# Allegro board 038RT-9068CJK8E-A100_0921_1.brd (continued)
## Placement (name value [footprint] x y rotation side) (continued)
NOREF#1251  -  []  597.59 208.23 0 top
NOREF#1252  -  []  279.27 271.45 90 top
NOREF#1253  -  []  92.99 267.43 90 top
NOREF#1254  -  []  515.33 47.24 90 top
NOREF#1255  -  []  245.04 262.31 90 top
NOREF#1256  -  []  350 263 0 top
NOREF#1257  -  []  357.05 201.6 90 top
NOREF#1258  -  []  277.71 272.23 0 top
NOREF#1259  -  []  704.31 271.4 90 top
NOREF#1260  -  []  163.91 434.8 0 top
NOREF#1261  -  []  282.1 262.2 90 top
NOREF#1262  -  []  607.53 241.05 90 top
NOREF#1263  -  []  288.47 270.22 0 top
NOREF#1264  -  []  88.99 270.63 0 top
NOREF#1265  -  []  625.03 343.99 90 top
NOREF#1266  -  []  406.1 264.6 90 top
NOREF#1267  -  []  96.13 230.41 90 top
NOREF#1268  -  []  399.7 266.2 90 top
NOREF#1269  -  []  393.03 205.66 90 top
NOREF#1270  -  []  408.89 203.45 90 top
NOREF#1271  -  []  77.86 202.82 0 top
NOREF#1272  -  []  204.61 216.36 0 top
NOREF#1273  -  []  610.09 157.23 0 top
NOREF#1274  -  []  602.41 208.23 0 top
NOREF#1275  -  []  89.71 230.09 0 top
NOREF#1276  -  []  97.66 229.46 90 top
NOREF#1277  -  []  326.57 227.96 0 top
NOREF#1278  -  []  539.8 133.72 90 top
NOREF#1279  -  []  237.23 264.07 0 top
NOREF#1280  -  []  429.66 436.45 90 top
NOREF#1281  -  []  86.17 272.62 0 top
NOREF#1282  -  []  328.89 205.08 90 top
NOREF#1283  -  []  328.89 216.51 90 top
NOREF#1284  -  []  91.93 157.86 0 top
NOREF#1285  -  []  324.92 218.18 90 top
NOREF#1286  -  []  592.81 205.83 0 top
NOREF#1287  -  []  408.47 268.62 0 top
NOREF#1288  -  []  7.76 178.69 90 top
NOREF#1289  -  []  203.73 144.61 0 top
NOREF#1290  -  []  361.79 284.66 90 top
NOREF#1291  -  []  98.16 289.19 90 top
NOREF#1292  -  []  175.34 434.8 90 top
NOREF#1293  -  []  602.41 209.83 0 top
NOREF#1294  -  []  292.35 225.56 90 top
NOREF#1295  -  []  85.37 198.22 0 top
NOREF#1296  -  []  602.26 181.7 0 top
NOREF#1297  -  []  91.56 229.46 90 top
NOREF#1298  -  []  127.13 235.44 0 top
NOREF#1299  -  []  317 422.36 90 top
NOREF#1300  -  []  193.62 265.29 90 top
NOREF#1301  -  []  158.62 240.39 0 top
NOREF#1302  -  []  462.44 436.44 0 top
NOREF#1303  -  []  607.48 215.62 0 top
NOREF#1304  -  []  500.92 44.55 0 top
NOREF#1305  -  []  89.4 269.39 90 top
NOREF#1306  -  []  168.61 272.9 0 top
NOREF#1307  -  []  425.32 49.56 0 top
NOREF#1308  -  []  110.02 153.24 0 top
NOREF#1309  -  []  205.25 416.84 0 top
NOREF#1310  -  []  286.47 208.25 90 top
NOREF#1311  -  []  441.21 224.38 90 top
NOREF#1312  -  []  436.2 287.06 0 top
NOREF#1313  -  []  615.48 152.6 0 top
NOREF#1314  -  []  360.57 273.99 90 top
NOREF#1315  -  []  287.7 263 90 top
NOREF#1316  -  []  290.48 432.64 90 top
NOREF#1317  -  []  11.29 234.23 0 top
NOREF#1318  -  []  11.29 269.88 0 top
NOREF#1319  -  []  280.89 204.23 90 top
NOREF#1320  -  []  605.59 213.05 90 top
NOREF#1321  -  []  600.79 211.43 90 top
NOREF#1322  -  []  89.79 259.43 0 top
NOREF#1323  -  []  599.21 267.41 0 top
NOREF#1324  -  []  87.82 325.6 0 top
NOREF#1325  -  []  7.39 276.87 0 top
NOREF#1326  -  []  334.02 27.31 90 top
NOREF#1327  -  []  210.91 431.58 90 top
NOREF#1328  -  []  279.29 271.45 90 top
NOREF#1329  -  []  358.37 36.88 90 top
NOREF#1330  -  []  289.7 230.11 90 top
NOREF#1331  -  []  398.51 209.03 0 top
NOREF#1332  -  []  279.27 211.45 90 top
NOREF#1333  -  []  403.67 273.42 0 top
NOREF#1334  -  []  284.11 201.81 0 top
NOREF#1335  -  []  403.29 264.23 90 top
NOREF#1336  -  []  282.47 209.83 90 top
NOREF#1337  -  []  278.34 279.42 90 top
NOREF#1338  -  []  499.32 28.57 90 top
NOREF#1339  -  []  278.79 378.54 0 top
NOREF#1340  -  []  587.66 263.5 90 top
NOREF#1341  -  []  605.57 265.83 90 top
NOREF#1342  -  []  247.28 265.91 0 top
NOREF#1343  -  []  412.09 212.23 90 top
NOREF#1344  -  []  491.74 454.91 90 top
NOREF#1345  -  []  287.7 201.39 90 top
NOREF#1346  -  []  338.32 193.67 0 top
NOREF#1347  -  []  279.31 201.81 0 top
NOREF#1348  -  []  94.1 289.19 90 top
NOREF#1349  -  []  25.83 396.01 90 top
NOREF#1350  -  []  96.17 266.63 90 top
NOREF#1351  -  []  365.04 203.72 90 top
NOREF#1352  -  []  287.9 217.54 90 top
NOREF#1353  -  []  81.36 198.12 90 top
NOREF#1354  -  []  19.26 389.56 0 top
NOREF#1355  -  []  602.39 270.63 0 top
NOREF#1356  -  []  436.21 224.38 0 top
NOREF#1357  -  []  163.91 416.38 90 top
NOREF#1358  -  []  498.27 266.69 90 top
NOREF#1359  -  []  582.02 160.02 90 top
NOREF#1360  -  []  340.12 426.39 90 top
NOREF#1361  -  []  86.98 312.42 90 top
NOREF#1362  -  []  358.83 269.39 90 top
NOREF#1363  -  []  150.3 131.22 90 top
NOREF#1364  -  []  596.79 199.45 90 top
NOREF#1365  -  []  88.57 207.82 0 top
NOREF#1366  -  []  88.19 265.01 0 top
NOREF#1367  -  []  440.32 226.73 0 top
NOREF#1368  -  []  347.19 46.35 0 top
NOREF#1369  -  []  610.09 134.37 0 top
NOREF#1370  -  []  373.74 23.16 90 top
NOREF#1371  -  []  610.73 159.77 90 top
NOREF#1372  -  []  326.89 239.39 0 top
NOREF#1373  -  []  440.01 285.03 0 top
NOREF#1374  -  []  459.89 43.68 0 top
NOREF#1375  -  []  318.78 27.31 90 top
NOREF#1376  -  []  398.38 245.05 90 top
NOREF#1377  -  []  268.15 249.07 90 top
NOREF#1378  -  []  4.29 265.98 0 top
NOREF#1379  -  []  95.41 260.23 0 top
NOREF#1380  -  []  131.55 47.77 90 top
NOREF#1381  -  []  287.31 267.43 0 top
NOREF#1382  -  []  91.93 154.05 90 top
NOREF#1383  -  []  88.21 201.81 0 top
NOREF#1384  -  []  209.3 280.22 0 top
NOREF#1385  -  []  245.04 271.33 90 top
NOREF#1386  -  []  336.65 255.5 0 top
NOREF#1387  -  []  237.78 211.24 0 top
NOREF#1388  -  []  280.88 224.18 90 top
NOREF#1389  -  []  13.26 17.45 90 top
NOREF#1390  -  []  113.22 322.4 90 top
NOREF#1391  -  []  250.33 265.66 90 top
NOREF#1392  -  []  519.43 269.89 0 top
NOREF#1393  -  []  544.43 55.75 0 top
NOREF#1394  -  []  535.06 46.5 90 top
NOREF#1395  -  []  669.23 189.9 0 top
NOREF#1396  -  []  66.57 186.05 90 top
NOREF#1397  -  []  440.18 55.76 90 top
NOREF#1398  -  []  60.63 186.01 90 top
NOREF#1399  -  []  331.99 442.9 0 top
NOREF#1400  -  []  592.75 181.71 90 top
NOREF#1401  -  []  291.27 269.83 90 top
NOREF#1402  -  []  282.91 284.18 90 top
NOREF#1403  -  []  603.19 261.83 0 top
NOREF#1404  -  []  284.11 205.83 0 top
NOREF#1405  -  []  422.18 92.61 90 top
NOREF#1406  -  []  437.4 220.31 90 top
NOREF#1407  -  []  116.37 150.04 90 top
NOREF#1408  -  []  269.97 431.58 90 top
NOREF#1409  -  []  296.05 39.2 90 top
NOREF#1410  -  []  586.09 312.42 90 top
NOREF#1411  -  []  601.17 207.82 0 top
NOREF#1412  -  []  591.21 205.83 0 top
NOREF#1413  -  []  288.87 207.43 90 top
NOREF#1414  -  []  97.79 209.81 0 top
NOREF#1415  -  []  615.17 275.22 90 top
NOREF#1416  -  []  560.69 312.42 90 top
NOREF#1417  -  []  173.46 58.88 90 top
NOREF#1418  -  []  94.59 268.23 0 top
NOREF#1419  -  []  436.51 286.73 0 top
NOREF#1420  -  []  598.2 182.9 0 top
NOREF#1421  -  []  436.2 220.96 0 top
NOREF#1422  -  []  591.57 265.42 0 top
NOREF#1423  -  []  600.81 266.63 0 top
NOREF#1424  -  []  599.6 258.19 90 top
NOREF#1425  -  []  283.31 213.03 0 top
NOREF#1426  -  []  282.1 263.8 90 top
NOREF#1427  -  []  623.58 279.93 0 top
NOREF#1428  -  []  505.17 31.37 90 top
NOREF#1429  -  []  514.03 225.76 0 top
NOREF#1430  -  []  76.56 164.08 0 top
NOREF#1431  -  []  285.3 263 90 top
NOREF#1432  -  []  34.34 369.99 90 top
NOREF#1433  -  []  599.93 314.58 0 top
NOREF#1434  -  []  283.7 209.4 90 top
NOREF#1435  -  []  56.39 272.12 0 top
NOREF#1436  -  []  597.59 268.23 0 top
NOREF#1437  -  []  567.06 438.62 90 top
NOREF#1438  -  []  87.39 267.45 90 top
NOREF#1439  -  []  277.27 209.42 0 top
NOREF#1440  -  []  147.51 430.7 90 top
NOREF#1441  -  []  357.9 446.71 90 top
NOREF#1442  -  []  618 181.02 90 top
NOREF#1443  -  []  673.94 53.59 0 top
NOREF#1444  -  []  568.18 310.77 90 top
NOREF#1445  -  []  276.81 222.96 90 top
NOREF#1446  -  []  22.85 8.42 90 top
NOREF#1447  -  []  118.18 29.42 0 top
NOREF#1448  -  []  602.37 201.05 90 top
NOREF#1449  -  []  494.24 28.57 90 top
NOREF#1450  -  []  87 269.39 90 top
NOREF#1451  -  []  238.67 289.31 0 top
NOREF#1452  -  []  503.77 45.59 90 top
NOREF#1453  -  []  600.81 263.43 0 top
NOREF#1454  -  []  98.59 269.05 90 top
NOREF#1455  -  []  605.2 199.02 90 top
NOREF#1456  -  []  59.69 371.17 90 top
NOREF#1457  -  []  410.1 271 90 top
NOREF#1458  -  []  173.63 443.92 0 top
NOREF#1459  -  []  405.11 193.92 0 top
NOREF#1460  -  []  299.43 261.12 90 top
NOREF#1461  -  []  313.07 32.26 0 top
NOREF#1462  -  []  254.99 425.56 0 top
NOREF#1463  -  []  634.21 201.68 0 top
NOREF#1464  -  []  638.54 149.92 90 top
NOREF#1465  -  []  406.9 269.39 90 top
NOREF#1466  -  []  402.07 265.42 0 top
NOREF#1467  -  []  594.72 164.08 0 top
NOREF#1468  -  []  550.02 424.45 0 top
NOREF#1469  -  []  547.22 238.4 0 top
NOREF#1470  -  []  405.11 253.92 0 top
NOREF#1471  -  []  489.78 447.45 0 top
NOREF#1472  -  []  336.67 275.33 90 top
NOREF#1473  -  []  613.77 160.02 90 top
NOREF#1474  -  []  98.57 202.63 90 top
NOREF#1475  -  []  285.27 223.88 0 top
NOREF#1476  -  []  413.67 270.63 90 top
NOREF#1477  -  []  305.3 184.22 90 top
NOREF#1478  -  []  415.94 190.79 0 top
NOREF#1479  -  []  361.79 224.66 90 top
NOREF#1480  -  []  92.57 150.5 90 top
NOREF#1481  -  []  95.26 188.97 90 top
NOREF#1482  -  []  25.22 390.94 90 top
NOREF#1483  -  []  402.13 47.53 90 top
NOREF#1484  -  []  195.9 221.16 90 top
NOREF#1485  -  []  349.51 424.48 0 top
NOREF#1486  -  []  165.51 429.31 90 top
NOREF#1487  -  []  408.87 266.63 90 top
NOREF#1488  -  []  329.22 262.23 90 top
NOREF#1489  -  []  347.19 27.31 0 top
NOREF#1490  -  []  274.78 222.96 90 top
NOREF#1491  -  []  516.16 41.35 90 top
NOREF#1492  -  []  88.99 201.03 90 top
NOREF#1493  -  []  98.17 206.22 0 top
NOREF#1494  -  []  266.86 201.86 90 top
NOREF#1495  -  []  398.49 209.81 0 top
NOREF#1496  -  []  604.38 149.86 90 top
NOREF#1497  -  []  616.31 331.47 0 top
NOREF#1498  -  []  623.43 316.87 90 top
NOREF#1499  -  []  436.21 282.34 0 top
NOREF#1500  -  []  61.64 214.21 90 top
NOREF#1501  -  []  333.69 415.37 90 top
NOREF#1502  -  []  552.62 232.05 90 top
NOREF#1503  -  []  292.95 278.14 0 top
NOREF#1504  -  []  598.85 181.71 90 top
NOREF#1505  -  []  585.33 316.87 90 top
NOREF#1506  -  []  602 265.39 90 top
NOREF#1507  -  []  278.85 219.15 90 top
NOREF#1508  -  []  104.07 206.92 90 top
NOREF#1509  -  []  286.57 221.66 0 top
NOREF#1510  -  []  628 205.81 90 top
NOREF#1511  -  []  638.54 153.12 0 top
NOREF#1512  -  []  411.29 263.43 0 top
NOREF#1513  -  []  91.37 267.43 90 top
NOREF#1514  -  []  514.03 269.89 0 top
NOREF#1515  -  []  279.17 280.07 0 top
NOREF#1516  -  []  403.7 271 90 top
NOREF#1517  -  []  113.2 197.88 90 top
NOREF#1518  -  []  516.16 44.55 0 top
NOREF#1519  -  []  16.65 183.77 90 top
NOREF#1520  -  []  369.13 336.54 90 top
NOREF#1521  -  []  599.6 203 90 top
NOREF#1522  -  []  407.67 207.02 0 top
NOREF#1523  -  []  98.59 261.85 90 top
NOREF#1524  -  []  125.08 322.58 90 top
NOREF#1525  -  []  77.64 257.69 90 top
NOREF#1526  -  []  404.87 209.85 90 top
NOREF#1527  -  []  357.23 204.07 0 top
NOREF#1528  -  []  346.36 19.33 0 top
NOREF#1529  -  []  99.39 205.01 0 top
NOREF#1530  -  []  89.53 229.46 90 top
NOREF#1531  -  []  317.92 43.81 0 top
NOREF#1532  -  []  88.99 261.03 90 top
NOREF#1533  -  []  586.66 241.71 90 top
NOREF#1534  -  []  512.44 445.44 90 top
NOREF#1535  -  []  227.8 210.11 0 top
NOREF#1536  -  []  608.78 215.17 0 top
NOREF#1537  -  []  312.48 214.83 0 top
NOREF#1538  -  []  592.37 211.82 0 top
NOREF#1539  -  []  207.97 431.58 90 top
NOREF#1540  -  []  58.89 211.67 0 top
NOREF#1541  -  []  586.91 264.28 0 top
NOREF#1542  -  []  591.57 271.02 0 top
NOREF#1543  -  []  173.1 222.56 0 top
NOREF#1544  -  []  440.32 286.73 0 top
NOREF#1545  -  []  363.61 446.71 90 top
NOREF#1546  -  []  458.29 444.45 0 top
NOREF#1547  -  []  11.29 219.07 0 top
NOREF#1548  -  []  464.71 33.83 90 top
NOREF#1549  -  []  517.83 434.42 0 top
NOREF#1550  -  []  373.61 213.31 0 top
NOREF#1551  -  []  603.99 201.83 0 top
NOREF#1552  -  []  291.29 267.45 90 top
NOREF#1553  -  []  174.65 36.88 90 top
NOREF#1554  -  []  645.9 401.21 0 top
NOREF#1555  -  []  291.27 210.63 90 top
NOREF#1556  -  []  567.67 321.94 90 top
NOREF#1557  -  []  89.81 210.61 0 top
NOREF#1558  -  []  474.65 44.59 90 top
NOREF#1559  -  []  107.82 289.46 90 top
NOREF#1560  -  []  601.59 269.83 90 top
NOREF#1561  -  []  685.63 63.54 90 top
NOREF#1562  -  []  99.33 40.89 0 top
NOREF#1563  -  []  641.53 257.43 90 top
NOREF#1564  -  []  412.11 207.43 0 top
NOREF#1565  -  []  407.31 264.21 0 top
NOREF#1566  -  []  603.97 264.25 90 top
NOREF#1567  -  []  328.94 50.42 90 top
NOREF#1568  -  []  364.78 212.24 0 top
NOREF#1569  -  []  601.57 258.65 90 top
NOREF#1570  -  []  38.32 466.51 0 top
NOREF#1571  -  []  -2.69 163.02 0 top
NOREF#1572  -  []  601.59 205.81 0 top
NOREF#1573  -  []  226.75 378.54 0 top
NOREF#1574  -  []  385.96 215.24 90 top
NOREF#1575  -  []  324.92 194.67 90 top
NOREF#1576  -  []  336.65 197.65 0 top
NOREF#1577  -  []  287.67 204.62 0 top
NOREF#1578  -  []  553.22 424.45 90 top
NOREF#1579  -  []  99.68 312.42 90 top
NOREF#1580  -  []  436.51 278.61 0 top
NOREF#1581  -  []  602.46 291.2 90 top
NOREF#1582  -  []  638.54 347.76 90 top
NOREF#1583  -  []  43.47 448.75 90 top
NOREF#1584  -  []  268.15 223.37 0 top
NOREF#1585  -  []  618.14 24.76 0 top
NOREF#1586  -  []  359.73 263.62 0 top
NOREF#1587  -  []  197.26 447.73 90 top
NOREF#1588  -  []  298.25 179.12 90 top
NOREF#1589  -  []  95.81 290.09 0 top
NOREF#1590  -  []  339.41 433.78 0 top
NOREF#1591  -  []  291.27 209.83 90 top
NOREF#1592  -  []  100.97 201.83 90 top
NOREF#1593  -  []  253.77 49.56 90 top
NOREF#1594  -  []  593.59 272.21 0 top
NOREF#1595  -  []  692.13 260.08 90 top
NOREF#1596  -  []  348.72 48.9 90 top
NOREF#1597  -  []  20.34 244.47 90 top
NOREF#1598  -  []  246.23 273.28 0 top
NOREF#1599  -  []  402.9 271 90 top
NOREF#1600  -  []  72.88 131.19 90 top
NOREF#1601  -  []  403.7 199.8 90 top
NOREF#1602  -  []  21.46 386.74 0 top
NOREF#1603  -  []  409.71 209.03 0 top
NOREF#1604  -  []  288.89 212.23 90 top
NOREF#1605  -  []  71.92 150.04 90 top
NOREF#1606  -  []  591.63 246.67 90 top
NOREF#1607  -  []  88.57 264.62 0 top
NOREF#1608  -  []  -11.44 47.55 0 top
NOREF#1609  -  []  11.81 175.4 90 top
NOREF#1610  -  []  92.19 268.23 0 top
NOREF#1611  -  []  385.03 418.84 0 top
NOREF#1612  -  []  177.86 271.5 90 top
NOREF#1613  -  []  405.69 201.03 90 top
NOREF#1614  -  []  603.17 272.25 90 top
NOREF#1615  -  []  73.52 337.82 90 top
NOREF#1616  -  []  578.34 157.23 0 top
NOREF#1617  -  []  95.8 264.59 90 top
NOREF#1618  -  []  297.52 250.01 90 top
NOREF#1619  -  []  284.94 222.96 90 top
NOREF#1620  -  []  609.76 129.74 0 top
NOREF#1621  -  []  531.8 141.72 90 top
NOREF#1622  -  []  58.14 271.67 0 top
NOREF#1623  -  []  604.77 261.05 90 top
NOREF#1624  -  []  362.71 209.57 90 top
NOREF#1625  -  []  98.17 267.02 0 top
NOREF#1626  -  []  347.95 34.29 90 top
NOREF#1627  -  []  324.89 198.35 0 top
NOREF#1628  -  []  278.85 224.18 90 top
NOREF#1629  -  []  336.67 195.32 90 top
NOREF#1630  -  []  602.77 261.42 0 top
NOREF#1631  -  []  601.61 261.81 0 top
NOREF#1632  -  []  603.99 200.25 90 top
NOREF#1633  -  []  356.3 433.78 0 top
NOREF#1634  -  []  288.91 201.81 0 top
NOREF#1635  -  []  291.7 211.8 90 top
NOREF#1636  -  []  403.29 265.81 0 top
NOREF#1637  -  []  70.21 160.02 90 top
NOREF#1638  -  []  87.39 210.65 90 top
NOREF#1639  -  []  265.96 275.24 90 top
NOREF#1640  -  []  94.61 208.23 0 top
NOREF#1641  -  []  50.39 377.37 0 top
NOREF#1642  -  []  279.7 206.2 90 top
NOREF#1643  -  []  607.42 160.02 90 top
NOREF#1644  -  []  91.37 204.23 90 top
NOREF#1645  -  []  370.33 273.28 90 top
NOREF#1646  -  []  60.63 252.62 90 top
NOREF#1647  -  []  97.66 289.46 90 top
NOREF#1648  -  []  604.3 242.9 0 top
NOREF#1649  -  []  85.58 131.19 90 top
NOREF#1650  -  []  307.86 27.56 0 top
NOREF#1651  -  []  97.18 218.77 0 top
NOREF#1652  -  []  531.8 141.72 90 top
NOREF#1653  -  []  672.31 292.82 0 top
NOREF#1654  -  []  213.76 40.33 0 top
NOREF#1655  -  []  329.57 92.61 90 top
NOREF#1656  -  []  590.07 241.7 0 top
NOREF#1657  -  []  260.1 186.22 0 top
NOREF#1658  -  []  654.31 220.6 0 top
NOREF#1659  -  []  586.08 264.28 0 top
NOREF#1660  -  []  6.8 340.36 90 top
NOREF#1661  -  []  154.12 27.68 0 top
NOREF#1662  -  []  293.67 261.03 90 top
NOREF#1663  -  []  488.58 420.16 90 top
NOREF#1664  -  []  603.17 205.03 90 top
NOREF#1665  -  []  423.14 261.84 90 top
NOREF#1666  -  []  326.24 239.39 0 top
NOREF#1667  -  []  239.73 211.24 0 top
NOREF#1668  -  []  287.29 268.21 0 top
NOREF#1669  -  []  14.11 21.21 0 top
NOREF#1670  -  []  232.56 39.2 90 top
NOREF#1671  -  []  289.69 271.41 0 top
NOREF#1672  -  []  360.57 206.37 90 top
NOREF#1673  -  []  638.54 349.96 90 top
NOREF#1674  -  []  412.47 202.22 0 top
NOREF#1675  -  []  34.34 277.77 90 top
NOREF#1676  -  []  330.67 443.13 90 top
NOREF#1677  -  []  671.31 270.4 0 top
NOREF#1678  -  []  436.51 226.73 0 top
NOREF#1679  -  []  600.88 182.91 0 top
NOREF#1680  -  []  158.52 427.41 90 top
NOREF#1681  -  []  601.61 201.81 0 top
NOREF#1682  -  []  137.98 237.19 90 top
NOREF#1683  -  []  371.74 442.9 0 top
NOREF#1684  -  []  290.07 270.22 0 top
NOREF#1685  -  []  73.52 127.64 90 top
NOREF#1686  -  []  8.06 476.13 90 top
NOREF#1687  -  []  99.37 209.03 90 top
NOREF#1688  -  []  283.24 223.88 0 top
NOREF#1689  -  []  436.98 50.36 0 top
NOREF#1690  -  []  434.68 214.83 0 top
NOREF#1691  -  []  625.2 346.11 90 top
NOREF#1692  -  []  26.97 397.53 90 top
NOREF#1693  -  []  284.89 209.03 0 top
NOREF#1694  -  []  404.64 242.02 90 top
NOREF#1695  -  []  537.38 191.74 90 top
NOREF#1696  -  []  410.47 260.25 90 top
NOREF#1697  -  []  142.1 207.93 0 top
NOREF#1698  -  []  92.97 204.25 90 top
NOREF#1699  -  []  404.5 271 90 top
NOREF#1700  -  []  72.02 198.62 90 top
NOREF#1701  -  []  89.37 267.02 0 top
NOREF#1702  -  []  385.7 23.33 0 top
NOREF#1703  -  []  673.94 187.58 90 top
NOREF#1704  -  []  404.07 209.85 90 top
NOREF#1705  -  []  598 206.2 90 top
NOREF#1706  -  []  263.76 416.84 90 top
NOREF#1707  -  []  250.03 205.92 90 top
NOREF#1708  -  []  72.02 263.32 90 top
NOREF#1709  -  []  88.19 261.03 90 top
NOREF#1710  -  []  409.71 201.81 0 top
NOREF#1711  -  []  437.41 287.79 90 top
NOREF#1712  -  []  603.99 269.05 90 top
NOREF#1713  -  []  218.53 194.39 0 top
NOREF#1714  -  []  506 41.35 90 top
NOREF#1715  -  []  243.54 426.36 0 top
NOREF#1716  -  []  86.97 207.82 0 top
NOREF#1717  -  []  93.01 204.21 0 top
NOREF#1718  -  []  331.99 424.48 0 top
NOREF#1719  -  []  88.19 204.25 90 top
NOREF#1720  -  []  487.42 227.16 0 top
NOREF#1721  -  []  582.02 164.08 0 top
NOREF#1722  -  []  280.79 144.61 0 top
NOREF#1723  -  []  90.2 202.2 90 top
NOREF#1724  -  []  173.74 425.5 90 top
NOREF#1725  -  []  615.81 134.37 0 top
NOREF#1726  -  []  439.11 280.64 0 top
NOREF#1727  -  []  284.11 212.21 0 top
NOREF#1728  -  []  591.92 181.06 90 top
NOREF#1729  -  []  603.97 201.05 90 top
NOREF#1730  -  []  170.15 286.01 0 top
NOREF#1731  -  []  595.17 206.63 90 top
NOREF#1732  -  []  96.17 267.45 90 top
NOREF#1733  -  []  486.75 144.84 0 top
NOREF#1734  -  []  593.59 262.61 0 top
NOREF#1735  -  []  8.31 16.9 90 top
NOREF#1736  -  []  606.39 207.43 90 top
NOREF#1737  -  []  89.4 259.8 90 top
NOREF#1738  -  []  602.41 201.03 0 top
NOREF#1739  -  []  603.99 266.61 0 top
NOREF#1740  -  []  88.6 211 90 top
NOREF#1741  -  []  63.82 248.15 0 top
NOREF#1742  -  []  343.89 138.61 0 top
NOREF#1743  -  []  106.87 325.6 0 top
NOREF#1744  -  []  288.07 269.83 90 top
NOREF#1745  -  []  245.04 269.93 90 top
NOREF#1746  -  []  96.19 265.05 90 top
NOREF#1747  -  []  122.18 49.42 90 top
NOREF#1748  -  []  406.9 209.4 90 top
NOREF#1749  -  []  411.27 270.63 90 top
NOREF#1750  -  []  285.67 198.65 90 top
NOREF#1751  -  []  584.3 240.8 90 top
NOREF#1752  -  []  553.22 429.85 90 top
NOREF#1753  -  []  477.13 426.36 0 top
NOREF#1754  -  []  682.83 19.94 90 top
NOREF#1755  -  []  593.62 278.2 90 top
NOREF#1756  -  []  98.17 261.42 0 top
NOREF#1757  -  []  536 186.22 90 top
NOREF#1758  -  []  596.01 264.21 0 top
NOREF#1759  -  []  94.17 211.82 0 top
NOREF#1760  -  []  283.29 201.03 90 top
NOREF#1761  -  []  600.79 263.43 90 top
NOREF#1762  -  []  399.67 207.82 0 top
NOREF#1763  -  []  335.29 437.44 90 top
NOREF#1764  -  []  405.67 209.85 90 top
NOREF#1765  -  []  288.5 272.6 90 top
NOREF#1766  -  []  280.88 220.37 90 top
NOREF#1767  -  []  92.99 265.03 0 top
NOREF#1768  -  []  640.39 359.91 0 top
NOREF#1769  -  []  385.3 228.22 90 top
NOREF#1770  -  []  675.41 295.92 0 top
NOREF#1771  -  []  408.87 207.43 90 top
NOREF#1772  -  []  96.99 205.03 90 top
NOREF#1773  -  []  554.97 422.8 0 top
NOREF#1774  -  []  586.52 264.65 90 top
NOREF#1775  -  []  290.07 208.62 0 top
NOREF#1776  -  []  510.25 31.37 90 top
NOREF#1777  -  []  409.7 230.11 90 top
NOREF#1778  -  []  286.9 260.59 90 top
NOREF#1779  -  []  -27.99 320.81 0 top
NOREF#1780  -  []  514.03 219.56 0 top
NOREF#1781  -  []  442.07 416.31 90 top
NOREF#1782  -  []  600.57 332.36 90 top
NOREF#1783  -  []  340.65 216.51 90 top
NOREF#1784  -  []  407.29 200.23 0 top
NOREF#1785  -  []  600.79 271.43 90 top
NOREF#1786  -  []  594.39 265.05 90 top
NOREF#1787  -  []  402.49 210.63 0 top
NOREF#1788  -  []  498.27 225.76 0 top
NOREF#1789  -  []  72.02 258.62 90 top
NOREF#1790  -  []  102.23 230.41 90 top
NOREF#1791  -  []  565.64 153.42 90 top
NOREF#1792  -  []  280.91 208.23 0 top
NOREF#1793  -  []  458.96 48.93 0 top
NOREF#1794  -  []  407.29 203.43 90 top
NOREF#1795  -  []  94.61 205.83 0 top
NOREF#1796  -  []  92.94 289.44 90 top
NOREF#1797  -  []  94.98 289.44 90 top
NOREF#1798  -  []  78.61 202.82 0 top
NOREF#1799  -  []  404.87 205.83 90 top
NOREF#1800  -  []  282.59 223.86 0 top
NOREF#1801  -  []  123.55 309.88 0 top
NOREF#1802  -  []  105.38 262.96 90 top
NOREF#1803  -  []  594.46 240.8 90 top
NOREF#1804  -  []  128.53 54.82 90 top
NOREF#1805  -  []  96.99 203.41 0 top
NOREF#1806  -  []  598.87 44.09 90 top
NOREF#1807  -  []  404.11 266.63 0 top
NOREF#1808  -  []  95.61 164.08 0 top
NOREF#1809  -  []  337.16 47.24 90 top
NOREF#1810  -  []  616.44 157.23 0 top
NOREF#1811  -  []  629.25 368.87 0 top
NOREF#1812  -  []  337.67 193.67 0 top
NOREF#1813  -  []  66.53 154.05 90 top
NOREF#1814  -  []  342.05 227.94 90 top
NOREF#1815  -  []  368.76 50.36 0 top
NOREF#1816  -  []  338.48 48.17 90 top
NOREF#1817  -  []  324.62 30.1 90 top
NOREF#1818  -  []  482.51 276.1 0 top
NOREF#1819  -  []  670.26 275.28 0 top
NOREF#1820  -  []  277.69 219.4 90 top
NOREF#1821  -  []  602.77 270.22 0 top
NOREF#1822  -  []  111.62 159.77 90 top
NOREF#1823  -  []  286.49 259.43 0 top
NOREF#1824  -  []  572.63 149.86 90 top
NOREF#1825  -  []  587.23 310.77 90 top
NOREF#1826  -  []  351.22 433.78 0 top
NOREF#1827  -  []  249.98 447.45 0 top
NOREF#1828  -  []  597.26 247.58 90 top
NOREF#1829  -  []  318.33 334.54 90 top
NOREF#1830  -  []  62.72 314.58 0 top
NOREF#1831  -  []  584.63 241.71 0 top
NOREF#1832  -  []  290.1 271 90 top
NOREF#1833  -  []  175.3 216.36 0 top
NOREF#1834  -  []  287.27 260.25 90 top
NOREF#1835  -  []  357.78 263.62 0 top
NOREF#1836  -  []  609.08 210.22 0 top
NOREF#1837  -  []  90.97 127.18 90 top
NOREF#1838  -  []  309.25 142.61 90 top
NOREF#1839  -  []  18.78 388.01 90 top
NOREF#1840  -  []  73.52 150.5 90 top
NOREF#1841  -  []  237.33 426.36 0 top
NOREF#1842  -  []  336.65 254.8 0 top
NOREF#1843  -  []  358.37 36.88 0 top
NOREF#1844  -  []  338.32 227.96 0 top
NOREF#1845  -  []  408.69 226.19 0 top
NOREF#1846  -  []  19.11 390.21 0 top
NOREF#1847  -  []  312.4 193.27 90 top
NOREF#1848  -  []  597.57 265.03 90 top
NOREF#1849  -  []  341.01 419.02 90 top
NOREF#1850  -  []  58.29 157.48 90 top
NOREF#1851  -  []  568.05 49.32 0 top
NOREF#1852  -  []  86.59 258.61 0 top
NOREF#1853  -  []  67.4 246.22 0 top
NOREF#1854  -  []  96.57 206.22 0 top
NOREF#1855  -  []  340.65 262.23 90 top
NOREF#1856  -  []  595.99 263.41 0 top
NOREF#1857  -  []  145.3 336.22 0 top
NOREF#1858  -  []  170.81 266.69 0 top
NOREF#1859  -  []  97.01 273.01 0 top
NOREF#1860  -  []  188.85 216.36 0 top
NOREF#1861  -  []  516.12 424.48 0 top
NOREF#1862  -  []  571.95 453.28 0 top
NOREF#1863  -  []  274.78 220.37 90 top
NOREF#1864  -  []  40.09 434.4 0 top
NOREF#1865  -  []  232.75 96.61 90 top
NOREF#1866  -  []  117.97 150.5 90 top
NOREF#1867  -  []  187.1 281.41 90 top
NOREF#1868  -  []  378.27 21.92 0 top
NOREF#1869  -  []  412.11 201.83 0 top
NOREF#1870  -  []  693.28 213.4 0 top
NOREF#1871  -  []  248.78 417.96 90 top
NOREF#1872  -  []  95.39 199.45 90 top
NOREF#1873  -  []  72.6 241.02 90 top
NOREF#1874  -  []  197.97 49.56 90 top
NOREF#1875  -  []  95.77 271.82 0 top
NOREF#1876  -  []  371.96 55.76 90 top
NOREF#1877  -  []  402.1 202.2 90 top
NOREF#1878  -  []  105.97 230.09 0 top
NOREF#1879  -  []  404.11 205.83 0 top
NOREF#1880  -  []  380.04 144.84 0 top
NOREF#1881  -  []  93.77 267.45 90 top
NOREF#1882  -  []  4.26 337.82 90 top
NOREF#1883  -  []  345.83 444.8 0 top
NOREF#1884  -  []  282.26 33.83 90 top
NOREF#1885  -  []  173.37 229.44 90 top
NOREF#1886  -  []  574 268.22 0 top
NOREF#1887  -  []  632.24 143.87 90 top
NOREF#1888  -  []  89.79 266.63 90 top
NOREF#1889  -  []  100.2 230.41 90 top
NOREF#1890  -  []  280.89 272.21 0 top
NOREF#1891  -  []  508.85 33.53 0 top
NOREF#1892  -  []  57.91 214.63 90 top
NOREF#1893  -  []  597.61 207.41 0 top
NOREF#1894  -  []  612.12 334.01 90 top
NOREF#1895  -  []  440.71 32.38 90 top
NOREF#1896  -  []  442.43 49.56 90 top
NOREF#1897  -  []  337.67 250.82 0 top
NOREF#1898  -  []  608.03 210.47 0 top
NOREF#1899  -  []  87.41 213.01 0 top
NOREF#1900  -  []  412.47 207.82 0 top
NOREF#1901  -  []  85.47 289.46 90 top
NOREF#1902  -  []  52.31 216.41 90 top
NOREF#1903  -  []  413.69 206.65 90 top
NOREF#1904  -  []  16.65 151.38 90 top
NOREF#1905  -  []  597.2 208.6 90 top
NOREF#1906  -  []  599.19 264.23 0 top
NOREF#1907  -  []  89.79 205.81 0 top
NOREF#1908  -  []  158.62 234.04 0 top
NOREF#1909  -  []  493.61 29.72 90 top
NOREF#1910  -  []  19.99 389.3 0 top
NOREF#1911  -  []  90.59 205.85 90 top
NOREF#1912  -  []  299.34 426.36 0 top
NOREF#1913  -  []  608.87 26.64 0 top
NOREF#1914  -  []  94.97 208.62 0 top
NOREF#1915  -  []  602.39 210.63 0 top
NOREF#1916  -  []  88.21 207.41 0 top
NOREF#1917  -  []  603.97 269.85 90 top
NOREF#1918  -  []  598.8 268.6 90 top
NOREF#1919  -  []  398.38 185.05 90 top
NOREF#1920  -  []  52.64 161.33 90 top
NOREF#1921  -  []  51.24 168.38 0 top
NOREF#1922  -  []  687.4 17.91 90 top
NOREF#1923  -  []  436.2 289.09 0 top
NOREF#1924  -  []  392.35 179.12 90 top
NOREF#1925  -  []  488.53 29.72 90 top
NOREF#1926  -  []  365.33 273.53 0 top
NOREF#1927  -  []  585 279.22 0 top
NOREF#1928  -  []  403.7 209.4 90 top
NOREF#1929  -  []  443.2 144.61 0 top
NOREF#1930  -  []  536.05 424.45 90 top
NOREF#1931  -  []  409.71 269.83 0 top
NOREF#1932  -  []  92.99 259.45 90 top
NOREF#1933  -  []  231.66 44.59 90 top
NOREF#1934  -  []  444.3 173.22 90 top
NOREF#1935  -  []  417.35 205.79 90 top
NOREF#1936  -  []  20.34 263.52 90 top
NOREF#1937  -  []  86.17 268.62 0 top
NOREF#1938  -  []  411.29 267.45 90 top
NOREF#1939  -  []  53.39 380.04 90 top
NOREF#1940  -  []  71.92 130.38 0 top
NOREF#1941  -  []  89.01 270.61 0 top
NOREF#1942  -  []  298.96 423.14 90 top
NOREF#1943  -  []  291.29 261.03 90 top
NOREF#1944  -  []  501.47 225.76 0 top
NOREF#1945  -  []  65.5 193.27 0 top
NOREF#1946  -  []  107.54 276.06 90 top
NOREF#1947  -  []  411.27 271.43 90 top
NOREF#1948  -  []  282.91 222.96 90 top
NOREF#1949  -  []  603.74 157.23 0 top
NOREF#1950  -  []  323.86 34.54 90 top
NOREF#1951  -  []  130.67 159.77 90 top
NOREF#1952  -  []  87.8 269.39 90 top
NOREF#1953  -  []  404.91 212.21 0 top
NOREF#1954  -  []  636.29 356.16 0 top
NOREF#1955  -  []  595.17 209.03 90 top
NOREF#1956  -  []  365.33 205.92 0 top
NOREF#1957  -  []  285.67 209.85 90 top
NOREF#1958  -  []  569.32 164.08 0 top
NOREF#1959  -  []  -15.54 296.33 0 top
NOREF#1960  -  []  566.91 319.15 90 top
NOREF#1961  -  []  594.46 242.01 90 top
NOREF#1962  -  []  280.37 279.42 90 top
NOREF#1963  -  []  514.03 231.97 0 top
NOREF#1964  -  []  342.05 205.08 90 top
NOREF#1965  -  []  406.25 432.64 90 top
NOREF#1966  -  []  89.81 270.61 0 top
NOREF#1967  -  []  336.65 278.36 0 top
NOREF#1968  -  []  591.57 267.82 0 top
NOREF#1969  -  []  603.97 269.03 90 top
NOREF#1970  -  []  238.67 225.35 90 top
NOREF#1971  -  []  246.53 265.91 0 top
NOREF#1972  -  []  317.92 50.16 0 top
NOREF#1973  -  []  612.96 268.8 90 top
NOREF#1974  -  []  591.57 266.22 0 top
NOREF#1975  -  []  501.47 231.97 0 top
NOREF#1976  -  []  413.54 39.2 90 top
NOREF#1977  -  []  403.29 205.81 0 top
NOREF#1978  -  []  611 253.22 90 top
NOREF#1979  -  []  575.29 193.16 0 top
NOREF#1980  -  []  207.25 418.84 90 top
NOREF#1981  -  []  404.09 199.43 0 top
NOREF#1982  -  []  186.31 50.36 0 top
NOREF#1983  -  []  98.57 211.43 90 top
NOREF#1984  -  []  601.07 160.02 90 top
NOREF#1985  -  []  392.35 179.12 90 top
NOREF#1986  -  []  408.47 208.62 0 top
NOREF#1987  -  []  412.89 272.23 90 top
NOREF#1988  -  []  393.03 213.53 90 top
NOREF#1989  -  []  112.07 201.26 90 top
NOREF#1990  -  []  584.3 180.8 90 top
NOREF#1991  -  []  410.47 271.45 90 top
NOREF#1992  -  []  286.48 37.13 90 top
NOREF#1993  -  []  580.95 201.26 90 top
NOREF#1994  -  []  117.58 47.77 0 top
NOREF#1995  -  []  620 286.22 0 top
NOREF#1996  -  []  359.73 211.24 0 top
NOREF#1997  -  []  278.85 282.96 90 top
NOREF#1998  -  []  52.64 381.69 90 top
NOREF#1999  -  []  437.41 219.66 90 top
NOREF#2000  -  []  529.78 238.4 0 top
NOREF#2001  -  []  86.22 150.5 90 top
NOREF#2002  -  []  647.13 69.61 90 top
NOREF#2003  -  []  90.2 209.4 90 top
NOREF#2004  -  []  591.57 205.42 0 top
NOREF#2005  -  []  240.57 266.37 90 top
NOREF#2006  -  []  436.51 280.64 0 top
NOREF#2007  -  []  169.62 416.38 0 top
NOREF#2008  -  []  287.29 269.03 0 top
NOREF#2009  -  []  86.3 290.11 0 top
NOREF#2010  -  []  622.83 285.14 0 top
NOREF#2011  -  []  99.37 269.03 90 top
NOREF#2012  -  []  253.61 213.31 0 top
NOREF#2013  -  []  613.77 140.59 0 top
NOREF#2014  -  []  81.66 202.57 90 top
NOREF#2015  -  []  286.07 212.62 0 top
NOREF#2016  -  []  597.37 181.05 90 top
NOREF#2017  -  []  336.65 231.94 0 top
NOREF#2018  -  []  603.19 201.03 90 top
NOREF#2019  -  []  289.69 210.61 0 top
NOREF#2020  -  []  280.06 38.13 90 top
NOREF#2021  -  []  419.43 261.14 90 top
NOREF#2022  -  []  588.37 180.8 90 top
NOREF#2023  -  []  195.9 227.37 90 top
NOREF#2024  -  []  451.34 423.14 0 top
NOREF#2025  -  []  402.49 261.83 0 top
NOREF#2026  -  []  59.69 154.01 0 top
NOREF#2027  -  []  747.89 321.32 0 top
NOREF#2028  -  []  99.39 207.41 0 top
NOREF#2029  -  []  77.56 202.57 0 top
NOREF#2030  -  []  442.21 21.33 90 top
NOREF#2031  -  []  408.07 263.45 90 top
NOREF#2032  -  []  591.27 241.05 90 top
NOREF#2033  -  []  330.62 239.37 90 top
NOREF#2034  -  []  190.27 445.82 90 top
NOREF#2035  -  []  77.56 197.87 0 top
NOREF#2036  -  []  595.57 271.82 0 top
NOREF#2037  -  []  284.07 209.85 90 top
NOREF#2038  -  []  15.31 175.4 90 top
NOREF#2039  -  []  625.1 279.17 90 top
NOREF#2040  -  []  498.27 263.68 0 top
NOREF#2041  -  []  127.36 164.08 0 top
NOREF#2042  -  []  436.21 222.34 0 top
NOREF#2043  -  []  257.73 50.36 90 top
NOREF#2044  -  []  336.67 263.9 90 top
NOREF#2045  -  []  682.28 16.9 90 top
NOREF#2046  -  []  84.62 127.18 90 top
NOREF#2047  -  []  403.27 198.65 90 top
NOREF#2048  -  []  358.83 201.77 90 top
NOREF#2049  -  []  19.29 269.6 0 top
NOREF#2050  -  []  106.03 312.42 90 top
NOREF#2051  -  []  246.23 205.67 0 top
NOREF#2052  -  []  606.28 310.77 90 top
NOREF#2053  -  []  528.13 230.65 0 top
NOREF#2054  -  []  384.85 436.97 90 top
NOREF#2055  -  []  165.51 420.04 90 top
NOREF#2056  -  []  99.69 229.46 90 top
NOREF#2057  -  []  106.29 230.41 90 top
NOREF#2058  -  []  191.97 272.9 90 top
NOREF#2059  -  []  363.71 418.39 90 top
NOREF#2060  -  []  97.32 150.04 90 top
NOREF#2061  -  []  54.59 119.08 0 top
NOREF#2062  -  []  378.2 219.17 0 top
NOREF#2063  -  []  119.49 435.36 0 top
NOREF#2064  -  []  286.49 264.23 0 top
NOREF#2065  -  []  600.01 208.21 0 top
NOREF#2066  -  []  604.81 268.21 0 top
NOREF#2067  -  []  285.69 264.25 90 top
NOREF#2068  -  []  374.21 49.56 90 top
NOREF#2069  -  []  100.97 261.83 90 top
NOREF#2070  -  []  281.75 223.21 90 top
NOREF#2071  -  []  92.97 199.45 90 top
NOREF#2072  -  []  628.81 201.37 90 top
NOREF#2073  -  []  91.39 269.83 90 top
NOREF#2074  -  []  347.1 446.71 90 top
NOREF#2075  -  []  274.78 280.37 90 top
NOREF#2076  -  []  292.11 207.43 0 top
NOREF#2077  -  []  97.37 210.22 0 top
NOREF#2078  -  []  419.43 201.14 90 top
NOREF#2079  -  []  90.59 204.23 0 top
NOREF#2080  -  []  498.27 216.36 90 top
NOREF#2081  -  []  401.3 199.8 90 top
NOREF#2082  -  []  409.69 210.61 0 top
NOREF#2083  -  []  311.99 447.45 0 top
NOREF#2084  -  []  365.04 271.33 90 top
NOREF#2085  -  []  599.99 206.63 90 top
NOREF#2086  -  []  400.89 266.65 90 top
NOREF#2087  -  []  90.59 201.83 0 top
NOREF#2088  -  []  417.46 202.29 90 top
NOREF#2089  -  []  598.8 262.99 90 top
NOREF#2090  -  []  285.11 194.75 0 top
NOREF#2091  -  []  649.13 22.22 90 top
NOREF#2092  -  []  292.09 261.81 0 top
NOREF#2093  -  []  595.17 261.03 90 top
NOREF#2094  -  []  445.04 416.84 0 top
NOREF#2095  -  []  593.61 200.23 0 top
NOREF#2096  -  []  516.3 167.22 90 top
NOREF#2097  -  []  412.11 261.83 0 top
NOREF#2098  -  []  197.76 21.33 90 top
NOREF#2099  -  []  342.24 47.24 90 top
NOREF#2100  -  []  287.9 194.36 90 top
NOREF#2101  -  []  314.46 30.1 90 top
NOREF#2102  -  []  654.31 271.4 90 top
NOREF#2103  -  []  288.87 267.43 90 top
NOREF#2104  -  []  603.17 261.05 90 top
NOREF#2105  -  []  628.51 201.62 90 top
NOREF#2106  -  []  283.29 266.61 0 top
NOREF#2107  -  []  290.95 225.56 90 top
NOREF#2108  -  []  477.59 44.59 90 top
NOREF#2109  -  []  87.39 207.45 90 top
NOREF#2110  -  []  81.87 248.07 90 top
NOREF#2111  -  []  407.31 204.23 0 top
NOREF#2112  -  []  409.69 211.41 0 top
NOREF#2113  -  []  599.63 325.6 0 top
NOREF#2114  -  []  624.19 334.01 90 top
NOREF#2115  -  []  176.94 447.73 90 top
NOREF#2116  -  []  7.76 52.32 90 top
NOREF#2117  -  []  282.59 280.05 0 top
NOREF#2118  -  []  410.9 263.8 90 top
NOREF#2119  -  []  501.47 276.1 0 top
NOREF#2120  -  []  600.23 182.9 0 top
NOREF#2121  -  []  232.75 92.61 90 top
NOREF#2122  -  []  634.88 262.07 90 top
NOREF#2123  -  []  472.22 326.54 90 top
NOREF#2124  -  []  414.2 217.29 90 top
NOREF#2125  -  []  13.56 429.93 90 top
NOREF#2126  -  []  411.27 210.63 90 top
NOREF#2127  -  []  491.24 144.61 0 top
NOREF#2128  -  []  52.64 376.57 0 top
NOREF#2129  -  []  632.24 156.58 90 top
NOREF#2130  -  []  100.2 290.41 90 top
NOREF#2131  -  []  602.78 149.4 90 top
NOREF#2132  -  []  156.88 436.75 0 top
NOREF#2133  -  []  121.35 270 90 top
NOREF#2134  -  []  610.73 316.87 90 top
NOREF#2135  -  []  16.65 25.02 90 top
NOREF#2136  -  []  166.96 271.5 0 top
NOREF#2137  -  []  601.59 201.03 90 top
NOREF#2138  -  []  95.39 212.21 0 top
NOREF#2139  -  []  187.57 286.06 0 top
NOREF#2140  -  []  669.23 157.52 0 top
NOREF#2141  -  []  686.33 94.87 90 top
NOREF#2142  -  []  605.57 206.63 90 top
NOREF#2143  -  []  42.96 447.81 90 top
NOREF#2144  -  []  432.77 417.96 90 top
NOREF#2145  -  []  337.67 227.96 0 top
NOREF#2146  -  []  92.57 337.82 90 top
NOREF#2147  -  []  585.69 204.65 90 top
NOREF#2148  -  []  171.22 420.04 90 top
NOREF#2149  -  []  407.31 267.43 0 top
NOREF#2150  -  []  590.4 182.01 90 top
NOREF#2151  -  []  458.21 40.33 0 top
NOREF#2152  -  []  20.34 213.67 0 top
NOREF#2153  -  []  206.01 286.06 0 top
NOREF#2154  -  []  407.89 277.54 90 top
NOREF#2155  -  []  600.81 213.01 0 top
NOREF#2156  -  []  248.78 422.36 90 top
NOREF#2157  -  []  280.89 206.63 90 top
NOREF#2158  -  []  628.51 201.62 0 top
NOREF#2159  -  []  286.1 199.79 90 top
NOREF#2160  -  []  592.75 242.91 0 top
NOREF#2161  -  []  586.08 204.28 0 top
NOREF#2162  -  []  81.77 310.77 90 top
NOREF#2163  -  []  412.35 285.56 90 top
NOREF#2164  -  []  290.07 210.22 0 top
NOREF#2165  -  []  399.67 270.22 0 top
NOREF#2166  -  []  529.78 272.9 90 top
NOREF#2167  -  []  139.3 57.02 0 top
NOREF#2168  -  []  483.45 33.53 0 top
NOREF#2169  -  []  494.24 35.81 90 top
NOREF#2170  -  []  440.02 284.38 0 top
NOREF#2171  -  []  380.1 226.22 0 top
NOREF#2172  -  []  406.57 281.66 0 top
NOREF#2173  -  []  108.31 160.02 90 top
NOREF#2174  -  []  246.3 213.11 90 top
NOREF#2175  -  []  590.4 180.8 90 top
NOREF#2176  -  []  562.97 164.08 0 top
NOREF#2177  -  []  180.15 227.37 90 top
NOREF#2178  -  []  150.85 441.65 90 top
NOREF#2179  -  []  286.32 254.31 0 top
NOREF#2180  -  []  403.29 209.83 90 top
NOREF#2181  -  []  116.37 153.24 0 top
NOREF#2182  -  []  259.01 273.31 0 top
NOREF#2183  -  []  441.54 416.84 90 top
NOREF#2184  -  []  284.47 266.22 0 top
NOREF#2185  -  []  351.03 27.91 0 top
NOREF#2186  -  []  86.61 207.43 0 top
NOREF#2187  -  []  28.43 66.68 0 top
NOREF#2188  -  []  592.79 266.65 90 top
NOREF#2189  -  []  7.39 295.92 0 top
NOREF#2190  -  []  403.27 269.85 90 top
NOREF#2191  -  []  600.79 258.63 90 top
NOREF#2192  -  []  91.39 200.23 0 top
NOREF#2193  -  []  12.6 391.36 0 top
NOREF#2194  -  []  559.57 424.45 90 top
NOREF#2195  -  []  85.81 271.43 0 top
NOREF#2196  -  []  103.1 289.44 90 top
NOREF#2197  -  []  517.23 263.68 0 top
NOREF#2198  -  []  502.66 227.37 90 top
NOREF#2199  -  []  251.77 378.54 0 top
NOREF#2200  -  []  127.36 160.02 90 top
NOREF#2201  -  []  94.61 265.83 0 top
NOREF#2202  -  []  290.1 260.59 90 top
NOREF#2203  -  []  399.7 206.2 90 top
NOREF#2204  -  []  82.91 137.16 90 top
NOREF#2205  -  []  114.66 164.08 0 top
NOREF#2206  -  []  597.59 264.25 90 top
NOREF#2207  -  []  407.7 203 90 top
NOREF#2208  -  []  337.85 30.8 0 top
NOREF#2209  -  []  240.52 224.66 0 top
NOREF#2210  -  []  349.51 442.9 0 top
NOREF#2211  -  []  285.3 268.6 90 top
NOREF#2212  -  []  393.43 430.09 90 top
NOREF#2213  -  []  222.96 281.46 90 top
NOREF#2214  -  []  158.28 431.9 90 top
NOREF#2215  -  []  514.56 51.69 90 top
NOREF#2216  -  []  89.79 265.01 0 top
NOREF#2217  -  []  586.93 325.6 0 top
NOREF#2218  -  []  410.1 200.59 90 top
NOREF#2219  -  []  598.39 208.23 0 top
NOREF#2220  -  []  385.3 184.22 90 top
NOREF#2221  -  []  600.79 203.43 90 top
NOREF#2222  -  []  404.47 207.82 0 top
NOREF#2223  -  []  100.17 267.43 90 top
NOREF#2224  -  []  624.78 219.93 0 top
NOREF#2225  -  []  342.05 250.8 90 top
NOREF#2226  -  []  429.66 436.45 0 top
NOREF#2227  -  []  605.57 264.23 90 top
NOREF#2228  -  []  602.8 262.2 90 top
NOREF#2229  -  []  294.2 217.29 90 top
NOREF#2230  -  []  98.59 212.23 90 top
NOREF#2231  -  []  338.55 33.96 0 top
NOREF#2232  -  []  601.2 202.2 90 top
NOREF#2233  -  []  410.9 211.8 90 top
NOREF#2234  -  []  93.77 204.25 90 top
NOREF#2235  -  []  236 224.13 90 top
NOREF#2236  -  []  399.31 261.81 0 top
NOREF#2237  -  []  481.04 418.84 90 top
NOREF#2238  -  []  276.49 283.86 0 top
NOREF#2239  -  []  615.17 210.52 90 top
NOREF#2240  -  []  253.77 144.61 0 top
NOREF#2241  -  []  338.32 262.25 0 top
NOREF#2242  -  []  591.21 265.83 0 top
NOREF#2243  -  []  603.19 259.43 0 top
NOREF#2244  -  []  218.27 47.53 90 top
NOREF#2245  -  []  370.03 205.92 90 top
NOREF#2246  -  []  345.5 433.78 0 top
NOREF#2247  -  []  628.51 256.98 90 top
NOREF#2248  -  []  574.64 251.95 90 top
NOREF#2249  -  []  604.79 200.21 0 top
NOREF#2250  -  []  378.17 55.76 90 top
NOREF#2251  -  []  327.57 144.61 0 top
NOREF#2252  -  []  621.83 152.6 0 top
NOREF#2253  -  []  410.1 260.59 90 top
NOREF#2254  -  []  598.41 207.41 0 top
NOREF#2255  -  []  292.07 209.85 90 top
NOREF#2256  -  []  398.1 213.42 0 top
NOREF#2257  -  []  62.84 191.68 90 top
NOREF#2258  -  []  408.09 261.03 0 top
NOREF#2259  -  []  338.32 250.82 0 top
NOREF#2260  -  []  28.42 -94.82 90 top
NOREF#2261  -  []  324.89 209.78 0 top
NOREF#2262  -  []  166.01 27.31 0 top
NOREF#2263  -  []  66.57 251.26 90 top
NOREF#2264  -  []  325.22 244.07 0 top
NOREF#2265  -  []  411.29 207.45 90 top
NOREF#2266  -  []  400.89 259.43 0 top
NOREF#2267  -  []  508.45 443.13 90 top
NOREF#2268  -  []  288.87 268.25 90 top
NOREF#2269  -  []  633.37 219.42 90 top
NOREF#2270  -  []  178.5 216.36 90 top
NOREF#2271  -  []  131.55 58.67 0 top
NOREF#2272  -  []  596.37 205.42 0 top
NOREF#2273  -  []  437.4 224.38 90 top
NOREF#2274  -  []  402.51 270.61 0 top
NOREF#2275  -  []  602.77 267.82 0 top
NOREF#2276  -  []  283.31 208.23 0 top
NOREF#2277  -  []  336.67 274.68 90 top
NOREF#2278  -  []  104.63 154.05 90 top
NOREF#2279  -  []  402.03 429.34 90 top
NOREF#2280  -  []  528.13 183.99 0 top
NOREF#2281  -  []  61.87 193.36 0 top
NOREF#2282  -  []  54.32 182.6 0 top
NOREF#2283  -  []  409.69 269.01 0 top
NOREF#2284  -  []  11.81 49.04 90 top
NOREF#2285  -  []  186.57 272.9 0 top
NOREF#2286  -  []  51.27 422.73 0 top
NOREF#2287  -  []  595.17 201.03 90 top
NOREF#2288  -  []  294.5 277.54 90 top
NOREF#2289  -  []  11.29 288.93 0 top
NOREF#2290  -  []  284.5 200.59 90 top
NOREF#2291  -  []  315.3 43.28 0 top
NOREF#2292  -  []  399.35 35.51 90 top
NOREF#2293  -  []  501.47 269.89 0 top
NOREF#2294  -  []  593.59 209.81 0 top
NOREF#2295  -  []  402.47 198.65 90 top
NOREF#2296  -  []  295.15 44.59 90 top
NOREF#2297  -  []  404.47 205.42 0 top
NOREF#2298  -  []  90.57 269.85 90 top
NOREF#2299  -  []  132.95 53.82 90 top
NOREF#2300  -  []  627.75 284.72 90 top
NOREF#2301  -  []  602.39 261.83 0 top
NOREF#2302  -  []  534.18 204.44 0 top
NOREF#2303  -  []  309.28 274.83 0 top
NOREF#2304  -  []  287.67 207.82 0 top
NOREF#2305  -  []  440.01 278.93 0 top
NOREF#2306  -  []  85.4 259.02 90 top
NOREF#2307  -  []  408.87 268.25 90 top
NOREF#2308  -  []  97.83 269.81 0 top
NOREF#2309  -  []  407.27 258.65 90 top
NOREF#2310  -  []  88.99 272.23 90 top
NOREF#2311  -  []  87.5 229.46 90 top
NOREF#2312  -  []  144.25 441.65 0 top
NOREF#2313  -  []  571.03 149.4 90 top
NOREF#2314  -  []  78.27 153.24 0 top
NOREF#2315  -  []  615.17 213.82 90 top
NOREF#2316  -  []  220.1 192.94 90 top
NOREF#2317  -  []  11.29 269.88 0 top
NOREF#2318  -  []  309.28 214.83 0 top
NOREF#2319  -  []  91.39 209.83 90 top
NOREF#2320  -  []  597.57 264.23 90 top
NOREF#2321  -  []  518.93 227.16 0 top
NOREF#2322  -  []  588.04 182.9 0 top
NOREF#2323  -  []  85.45 309.88 0 top
NOREF#2324  -  []  592.1 241.7 90 top
NOREF#2325  -  []  90.91 229.44 90 top
NOREF#2326  -  []  609.08 273.32 90 top
NOREF#2327  -  []  399.7 262.2 90 top
NOREF#2328  -  []  229.6 230.73 0 top
NOREF#2329  -  []  203.73 378.54 0 top
NOREF#2330  -  []  253.61 203 90 top
NOREF#2331  -  []  408.87 199.45 90 top
NOREF#2332  -  []  463.11 40.93 0 top
NOREF#2333  -  []  95.8 204.59 90 top
NOREF#2334  -  []  278.87 209.42 0 top
NOREF#2335  -  []  76.11 261.52 0 top
NOREF#2336  -  []  66.53 131.19 90 top
NOREF#2337  -  []  240.52 284.66 0 top
NOREF#2338  -  []  333.73 378.54 0 top
NOREF#2339  -  []  276.81 224.18 90 top
NOREF#2340  -  []  371.96 53.56 90 top
NOREF#2341  -  []  86.22 316.87 90 top
NOREF#2342  -  []  325.13 453.01 0 top
NOREF#2343  -  []  427.04 434.85 90 top
NOREF#2344  -  []  370.03 273.53 90 top
NOREF#2345  -  []  345.5 433.78 90 top
NOREF#2346  -  []  439.11 286.73 0 top
NOREF#2347  -  []  466.31 39.73 90 top
NOREF#2348  -  []  594.79 242.91 0 top
NOREF#2349  -  []  609.08 270.22 0 top
NOREF#2350  -  []  572.63 309.63 90 top
NOREF#2351  -  []  280.5 259.8 90 top
NOREF#2352  -  []  268.15 189.07 90 top
NOREF#2353  -  []  405.27 210.22 0 top
NOREF#2354  -  []  594.34 201.85 90 top
NOREF#2355  -  []  326.24 262.25 0 top
NOREF#2356  -  []  447.2 96.61 90 top
NOREF#2357  -  []  365.13 378.54 0 top
NOREF#2358  -  []  623.88 224.89 90 top
NOREF#2359  -  []  121.14 210 90 top
NOREF#2360  -  []  628.81 256.73 0 top
NOREF#2361  -  []  599.19 206.63 90 top
NOREF#2362  -  []  609.76 126.54 90 top
NOREF#2363  -  []  11.29 285.03 0 top
NOREF#2364  -  []  87.68 230.09 0 top
NOREF#2365  -  []  596.79 272.21 0 top
NOREF#2366  -  []  407.59 277.29 90 top
NOREF#2367  -  []  587.66 203.5 90 top
NOREF#2368  -  []  94.59 207.41 0 top
NOREF#2369  -  []  94.17 322.4 90 top
NOREF#2370  -  []  595.58 252.47 90 top
NOREF#2371  -  []  278.52 220.05 0 top
NOREF#2372  -  []  596.01 205.03 0 top
NOREF#2373  -  []  406.51 204.21 0 top
NOREF#2374  -  []  608.78 213.07 90 top
NOREF#2375  -  []  410.9 271.79 90 top
NOREF#2376  -  []  175.3 228.77 0 top
NOREF#2377  -  []  527.31 48.15 90 top
NOREF#2378  -  []  408.87 267.43 90 top
NOREF#2379  -  []  404.5 269.39 90 top
NOREF#2380  -  []  144.5 206.73 90 top
NOREF#2381  -  []  14.11 152.65 0 top
NOREF#2382  -  []  106.25 211.18 90 top
NOREF#2383  -  []  599.93 310.77 90 top
NOREF#2384  -  []  593.39 253.67 0 top
NOREF#2385  -  []  511.08 41.35 90 top
NOREF#2386  -  []  401.71 270.61 0 top
NOREF#2387  -  []  600.81 203.43 0 top
NOREF#2388  -  []  598.03 316.87 90 top
NOREF#2389  -  []  20.42 426.97 90 top
NOREF#2390  -  []  89.4 211 90 top
NOREF#2391  -  []  23.16 409.42 0 top
NOREF#2392  -  []  54.63 341.64 0 top
NOREF#2393  -  []  405.69 261.03 0 top
NOREF#2394  -  []  605.57 205.83 90 top
NOREF#2395  -  []  28.5 397.78 90 top
NOREF#2396  -  []  398.07 272.62 0 top
NOREF#2397  -  []  288.47 209.42 0 top
NOREF#2398  -  []  105.97 290.09 0 top
NOREF#2399  -  []  66.87 246.3 90 top
NOREF#2400  -  []  610.95 239.12 0 top
NOREF#2401  -  []  602 205.4 90 top
NOREF#2402  -  []  95.57 285.76 90 top
NOREF#2403  -  []  122.18 54.82 90 top
NOREF#2404  -  []  596.81 207.41 0 top
NOREF#2405  -  []  335.29 419.02 90 top
NOREF#2406  -  []  284.09 199.43 0 top
NOREF#2407  -  []  98.16 290.41 90 top
NOREF#2408  -  []  406.07 207.82 0 top
NOREF#2409  -  []  -6.02 484.33 0 top
NOREF#2410  -  []  86.22 136.91 90 top
NOREF#2411  -  []  603.99 208.25 90 top
NOREF#2412  -  []  100.82 310.77 90 top
NOREF#2413  -  []  118.98 49.42 0 top
NOREF#2414  -  []  100.52 322.4 90 top
NOREF#2415  -  []  600.56 240.8 90 top
NOREF#2416  -  []  88.17 197.85 90 top
NOREF#2417  -  []  394.53 336.54 90 top
NOREF#2418  -  []  478.49 39.2 90 top
NOREF#2419  -  []  79.87 150.5 90 top
NOREF#2420  -  []  503.67 231.97 0 top
NOREF#2421  -  []  -15.54 245.53 0 top
NOREF#2422  -  []  435.3 224.7 0 top
NOREF#2423  -  []  99.37 265.83 90 top
NOREF#2424  -  []  278.07 272.62 0 top
NOREF#2425  -  []  282.07 207.02 0 top
NOREF#2426  -  []  605.59 201.85 90 top
NOREF#2427  -  []  396.95 48.93 0 top
NOREF#2428  -  []  237.78 263.62 0 top
NOREF#2429  -  []  175.84 27.91 0 top
NOREF#2430  -  []  284.87 206.63 90 top
NOREF#2431  -  []  282.79 326.54 90 top
NOREF#2432  -  []  326.29 416.31 90 top
NOREF#2433  -  []  96.17 206.63 90 top
NOREF#2434  -  []  52.31 210.37 90 top
NOREF#2435  -  []  422.24 207.47 90 top
NOREF#2436  -  []  609.08 208.62 90 top
NOREF#2437  -  []  286.9 263 90 top
NOREF#2438  -  []  173.46 62.08 0 top
NOREF#2439  -  []  402.9 200.59 90 top
NOREF#2440  -  []  89.77 262.63 90 top
NOREF#2441  -  []  279.72 279.4 90 top
NOREF#2442  -  []  294.28 183.91 90 top
NOREF#2443  -  []  406.49 263.43 90 top
NOREF#2444  -  []  350 270.11 0 top
NOREF#2445  -  []  79.87 316.87 90 top
NOREF#2446  -  []  626.47 267.33 0 top
NOREF#2447  -  []  410.49 201.03 90 top
NOREF#2448  -  []  280.07 209.03 90 top
NOREF#2449  -  []  89.77 201.83 90 top
NOREF#2450  -  []  547.22 232.05 0 top
NOREF#2451  -  []  155.98 47.24 90 top
NOREF#2452  -  []  623.43 309.63 90 top
NOREF#2453  -  []  605.29 41.8 90 top
NOREF#2454  -  []  603.61 309.88 0 top
NOREF#2455  -  []  293.17 221.66 0 top
NOREF#2456  -  []  622.66 331.47 0 top
NOREF#2457  -  []  397.69 272.23 0 top
NOREF#2458  -  []  566.05 205.62 90 top
NOREF#2459  -  []  590.8 273.42 0 top
NOREF#2460  -  []  116.5 219.83 90 top
NOREF#2461  -  []  609.08 274.92 0 top
NOREF#2462  -  []  88.19 209.83 90 top
NOREF#2463  -  []  679.31 222.97 0 top
NOREF#2464  -  []  590.72 181.71 0 top
NOREF#2465  -  []  618.14 19.68 90 top
NOREF#2466  -  []  673.94 28.83 90 top
NOREF#2467  -  []  90.04 229.19 90 top
NOREF#2468  -  []  595.19 259.45 90 top
NOREF#2469  -  []  71.92 127.18 90 top
NOREF#2470  -  []  287.7 211.8 90 top
NOREF#2471  -  []  362.71 269.57 90 top
NOREF#2472  -  []  590.4 240.8 90 top
NOREF#2473  -  []  91 213.4 90 top
NOREF#2474  -  []  403.7 211 90 top
NOREF#2475  -  []  37.24 434.4 90 top
NOREF#2476  -  []  670.26 243.53 0 top
NOREF#2477  -  []  491.74 449.83 0 top
NOREF#2478  -  []  342.24 28.19 90 top
NOREF#2479  -  []  687.4 144.27 90 top
NOREF#2480  -  []  113.7 432.93 0 top
NOREF#2481  -  []  404.11 265.83 0 top
NOREF#2482  -  []  507.11 432.44 90 top
NOREF#2483  -  []  92.17 201.05 90 top
NOREF#2484  -  []  93.86 279.07 90 top
NOREF#2485  -  []  235.4 203 90 top
NOREF#2486  -  []  611 193.22 90 top
NOREF#2487  -  []  336.8 19.61 0 top
NOREF#2488  -  []  105.79 289.46 90 top
NOREF#2489  -  []  405.3 268.6 90 top
NOREF#2490  -  []  157.3 225.22 0 top
NOREF#2491  -  []  282.97 192.32 90 top
NOREF#2492  -  []  93.4 203 90 top
NOREF#2493  -  []  584.24 195.92 90 top
NOREF#2494  -  []  407.29 209.03 90 top
NOREF#2495  -  []  534.18 238.4 0 top
NOREF#2496  -  []  192.52 50.36 0 top
NOREF#2497  -  []  629.25 356.16 0 top
NOREF#2498  -  []  437.4 280.31 90 top
NOREF#2499  -  []  278.34 223.23 90 top
NOREF#2500  -  []  602.77 208.62 0 top
NOREF#2501  -  []  536.05 426.65 90 top
NOREF#2502  -  []  325.24 252.47 90 top
NOREF#2503  -  []  187.6 443.92 0 top
NOREF#2504  -  []  281.27 208.62 0 top
NOREF#2505  -  []  91.37 205.03 90 top
NOREF#2506  -  []  336.67 206.1 90 top
NOREF#2507  -  []  228.75 144.61 0 top
NOREF#2508  -  []  61.94 274.46 90 top
NOREF#2509  -  []  83.94 290.41 90 top
NOREF#2510  -  []  360.57 272.59 90 top
NOREF#2511  -  []  190.91 438.45 90 top
NOREF#2512  -  []  88.19 203.41 0 top
NOREF#2513  -  []  105.27 159.77 90 top
NOREF#2514  -  []  609.98 215.17 0 top
NOREF#2515  -  []  278.34 283.23 90 top
NOREF#2516  -  []  86.2 207 90 top
NOREF#2517  -  []  72.6 288.22 90 top
NOREF#2518  -  []  292.09 201.81 0 top
NOREF#2519  -  []  498.56 28.83 0 top
NOREF#2520  -  []  85.37 209.42 0 top
NOREF#2521  -  []  7.76 178.69 90 top
NOREF#2522  -  []  95.37 264.25 90 top
NOREF#2523  -  []  287.67 207.02 0 top
NOREF#2524  -  []  282.47 270.63 90 top
NOREF#2525  -  []  404.91 269.81 0 top
NOREF#2526  -  []  275.66 219.4 90 top
NOREF#2527  -  []  411.27 269.83 90 top
NOREF#2528  -  []  604.01 262.63 0 top
NOREF#2529  -  []  288.47 271.02 0 top
NOREF#2530  -  []  286.49 263.43 90 top
